# KiCad board Duet3_MB_6HC.kicad_pcb (continued)
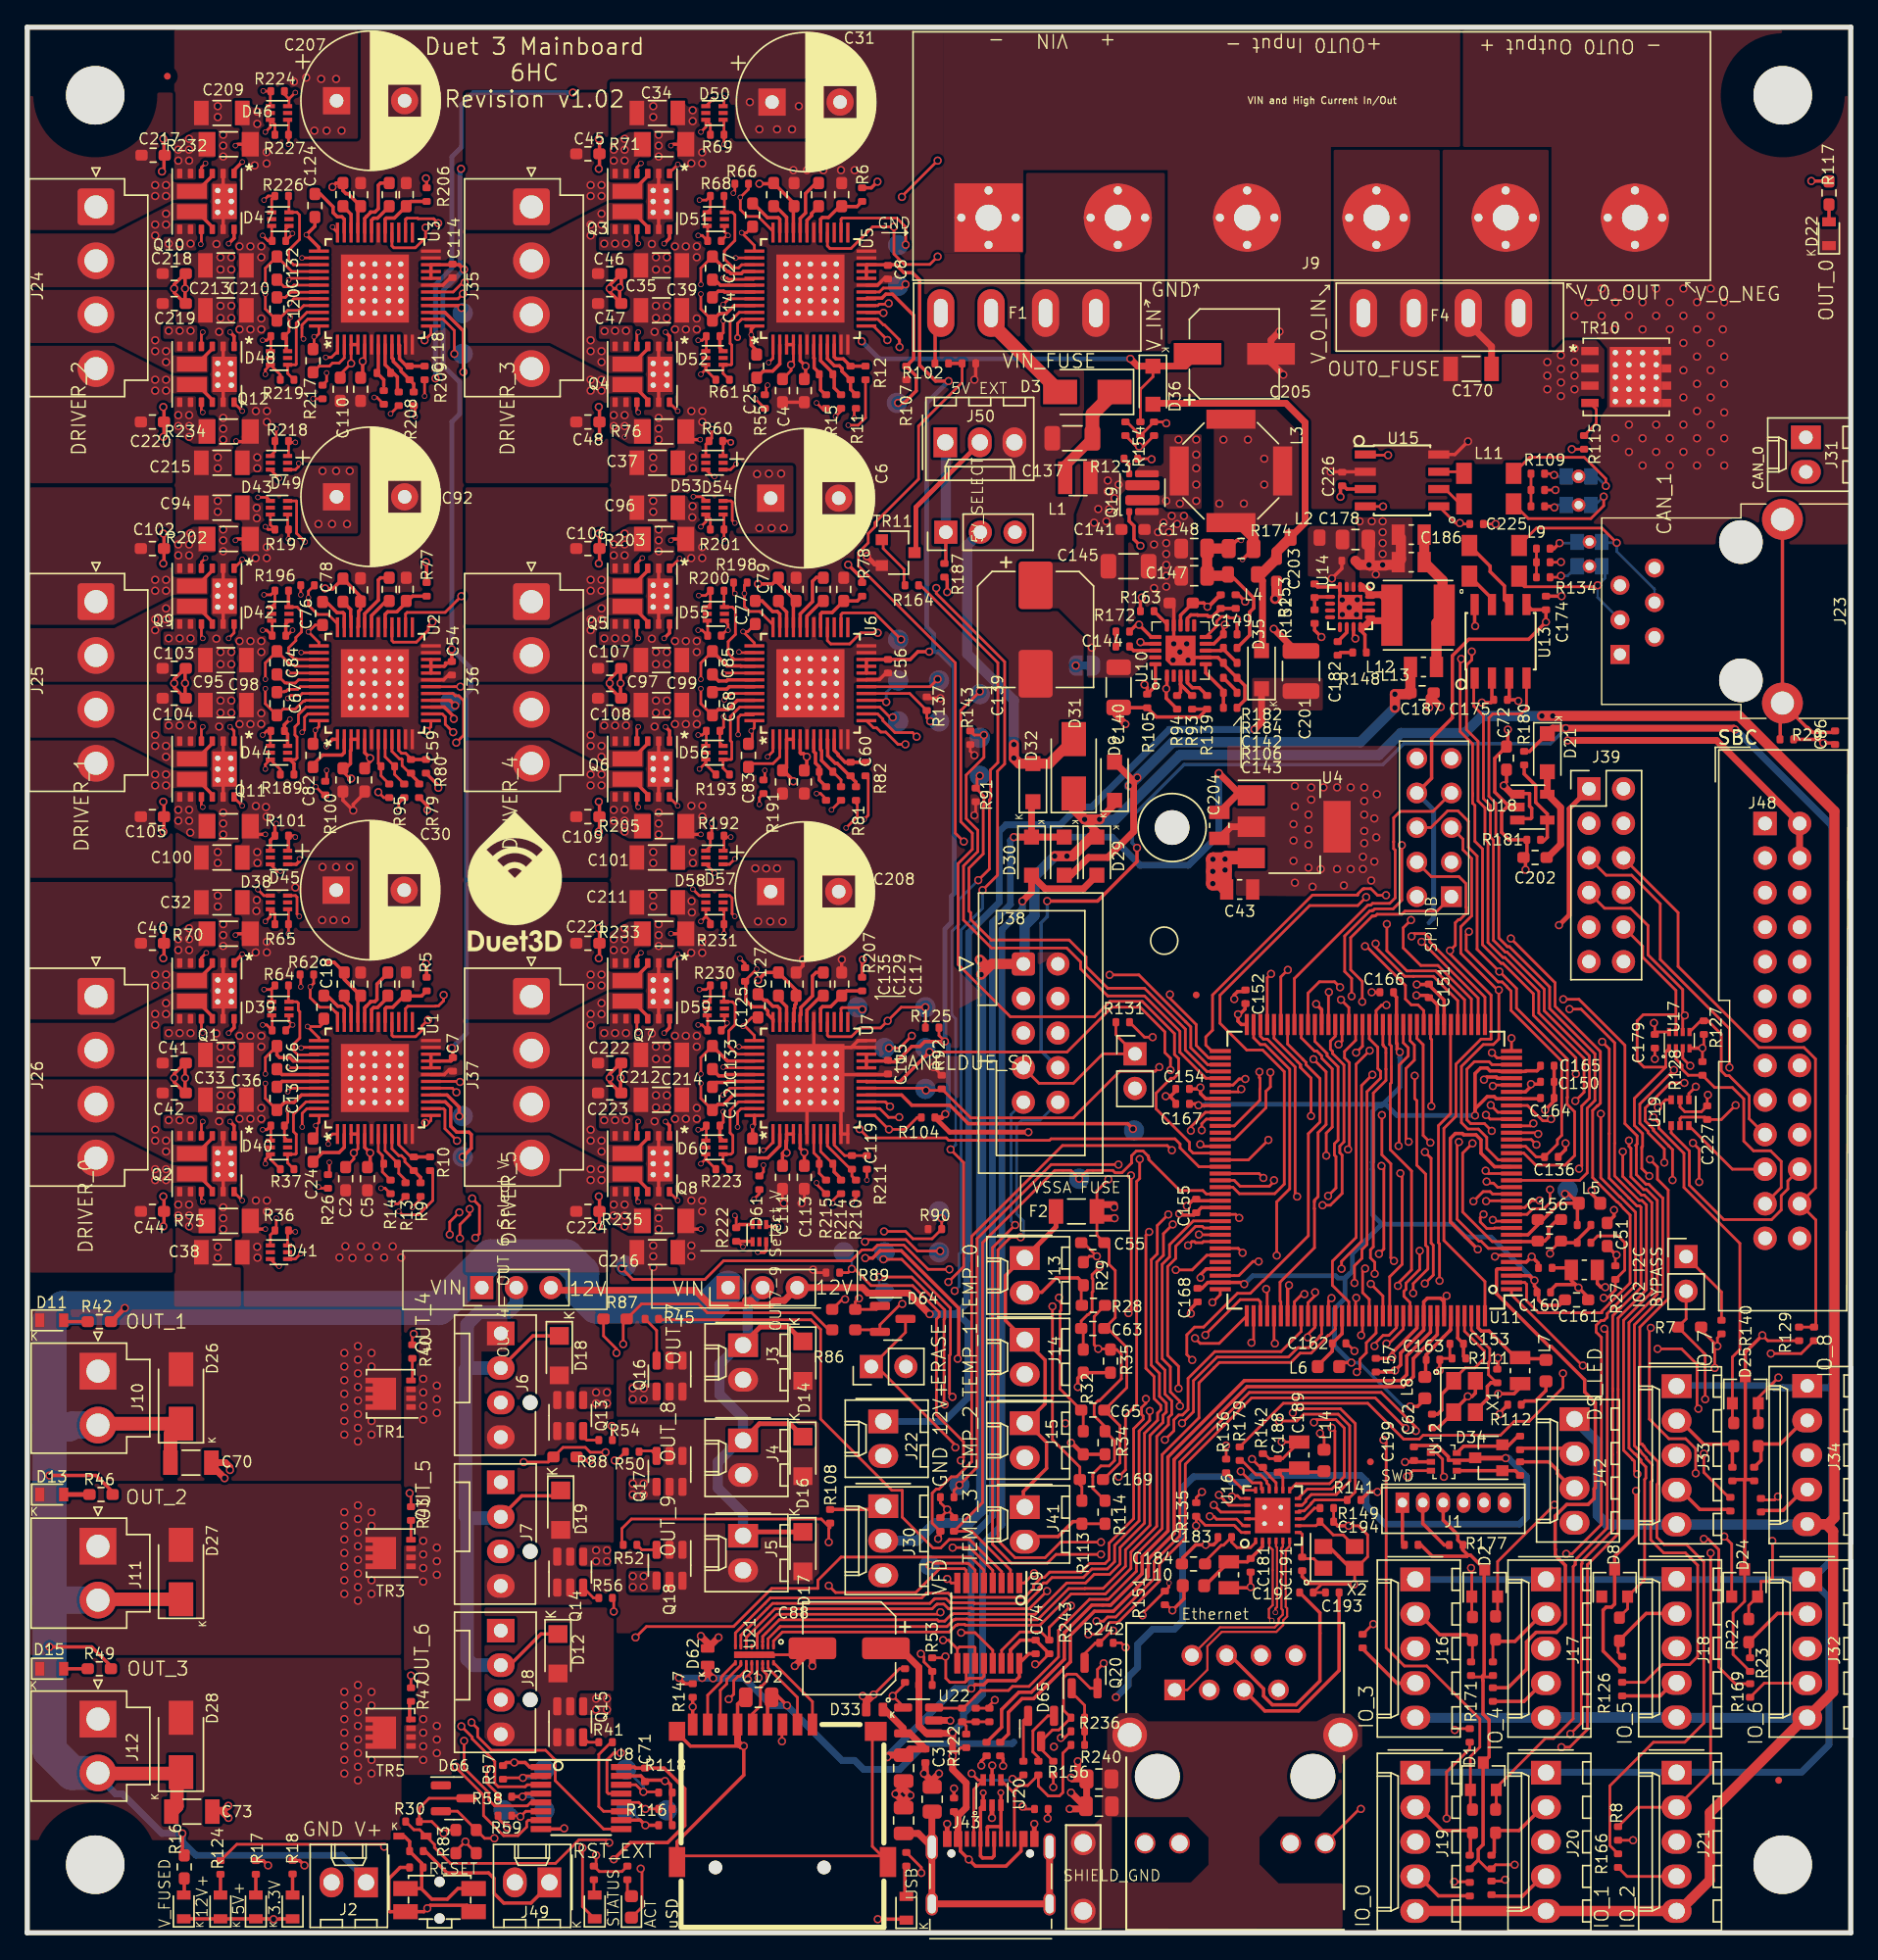
[diagram p0: board, top side]
## Routing (per net, layer and track width the routed paths; a pad name or vN(x,y) marks a point on that pad's centre or on a via; arc(x,y) is an arc through that point) (continued)
GRXDV: length 20
  Top w0.2: U11.126 98.12,44 v1(98.02,43.9) ; v1(90,34.8) 90.6,34.2 R142.1 90.8,34.07 91.3,33.57 91.3,33.53 91.77,33.07 U16.15
  In1.Cu w0.2: v1(90,34.8) 94.54,34.8 96.51,36.77 96.51,42.96 97.45,43.9 v1(98.02,43.9)
GRXER: length 19.3
  Top w0.2: U11.119 94.62,44.48 94.09,43.95 v1(94.09,43.74) ; v1(89.17,33.9) 90.02,33.06 90.64,33.06 90.68,33.02 90.68,32.61 U16.17
  In1.Cu w0.2: v1(94.09,43.74) 93.6,44.23 92.16,44.23 92.09,44.3 91.27,44.3 90.93,43.96 89.72,43.96 89.36,43.6 89.36,42.45 89.06,42.15 89.06,34.02 v1(89.17,33.9)
GTX0: length 24.4
  Top w0.2: U11.131 100.62,44.45 100.05,43.89 99.63,43.89 99,43.26 v1(99,43.1) ; v1(87.57,32.17) 87.92,31.82 87.92,31.8 88.31,31.41 U16.20
  In1.Cu w0.2: v1(99,43.1) 99,38.13 93.52,32.65 88.05,32.65 v1(87.57,32.17)
GTX1: length 25.1
  Top w0.2: U16.21 87.71,30.91 v1(87.19,31.43) ; v1(97.7,41.2) 97.93,41.43 97.93,42.14 98.4,42.61 98.4,43.35 99.12,44.07 U11.128
  In1.Cu w0.2: v1(97.7,41.2) 97.7,37.39 93.36,33.05 87.6,33.05 86.97,32.42 86.97,31.65 v1(87.19,31.43)
GTXCK: length 38.3
  Top w0.2: R179.1 92.3,38.9 98.51,38.9 101.14,36.27 102.29,36.27 102.57,36.55 108.25,36.55 109.27,37.57 110.37,37.57 112.85,40.05 v1(112.85,41.1) ; U11.1 109.07,46.88 114.27,41.67 v1(114.31,41.67)
  In1.Cu w0.2: v1(112.85,41.1) 113.42,41.67 v1(114.31,41.67)
GTXEN: length 22.8
  Top w0.2: U16.19 89.14,31.91 88.94,32.12 88.59,32.12 v1(88.52,32.05) ; U11.132 101.12,44.36 100.05,43.29 v1(99.88,43.29)
  In1.Cu w0.2: 97.75,36.3 99.4,37.95 99.4,42.26 99.88,42.75 v1(99.88,43.29) ; v1(88.52,32.05) 93.51,32.05 97.75,36.28 97.75,36.31
HSDM: length 52.9
  Top w0.25: R121.2 71.6,15.1 71.6,16.4 72.88,17.68 73.79,17.68 76.21,20.09 76.21,22.05 78.23,24.07 79.62,24.07 81.93,26.38 81.93,27.63 83.82,29.53 83.82,34.96 89.44,40.57 100.94,40.57 101.37,41.01 101.37,42.38 103.12,44.13 U11.136
HSDP: length 52.7
  Top w0.25: R120.2 72.1,14.6 72.1,16.2 73.1,17.2 73.95,17.2 76.66,19.91 76.66,21.86 78.42,23.62 79.81,23.62 82.38,26.19 82.38,27.44 84.27,29.34 84.27,34.77 89.63,40.12 101.12,40.12 101.86,40.85 101.86,42.19 103.62,43.95 U11.137
IO_0: length 64.5
  Top w0.2: U11.52 99.62,65.25 99.64,65.22 99.64,65.17 99.84,64.98 99.84,63.46 99.84,63.45 99.84,62.63 98.91,61.7 98.91,50.39 98.7,50.18 98.7,49.58 99.02,49.27 v1(99.02,48.42) ; R1.1 106.05,9.2 D1.1 106.05,12.95 106.74,13.64 106.74,15.71 102.85,19.6 101.2,19.6 99.86,20.94 99.86,36.01 v1(99.66,36.21)
  In1.Cu w0.2: v1(99.02,48.42) 99.2,48.24 99.2,48.05 99.33,47.92 99.33,46.77 101.6,44.5 101.6,40.89 101.46,40.75 101.46,40.03 100.26,38.83 100.26,36.81 v1(99.66,36.21)
IO_0_IN: length 85.8
  Top w0.2: v1(72.6,52) 72.6,52 70.93,50.33 70.93,28.54 72.31,27.16 74.96,27.16 75.6,27.8 v1(78.9,27.8)
  Top w0.25: 102,9.26 102.23,9.26 103.98,7.51 106.05,7.51 106.05,5.75 R2.1
  In1.Cu w0.2: v1(78.9,27.8) 82.6,24.1 82.6,22.95 82.04,22.39 82.04,16.86 90.8,8.1 100.88,8.1 J19.2
  Bottom w0.2: v1(72.6,52) 72.3,52.3 72.3,60.12 J38.9
IO_0_OUT: length 93.9
  Top w0.2: v1(73,51.1) 72.26,51.1 71.33,50.17 71.33,28.82 72.59,27.56 74.8,27.56 75.94,28.7 v1(78.9,28.7)
  Top w0.25: 102,4.18 102.23,4.18 103.7,2.71 105.8,2.71
  In1.Cu w0.2: J19.4 103.4,5.54 103.4,9.74 102.75,10.39 100.14,10.39 98.25,8.5 90.96,8.5 82.44,17.02 82.44,22.23 83,22.78 83,24.6 v1(78.9,28.7)
  Bottom w0.2: J38.10 74.42,59.7 73.1,59.7 72.7,59.3 72.7,52.8 73.2,52.3 73.2,51.3 v1(73,51.1)
IO_1: length 71.7
  Top w0.2: 113.75,27.05 113.75,27.17 ; 113.75,27.05 113.6,26.9 113.6,15.72 112.16,14.28 111.56,14.28 107.95,10.67 107.95,9.55 ; 113.75,27.05 113.75,27.29 113.85,27.39 113.85,27.48 116.1,29.73 116.1,44.17 v1(115.89,44.38) ; U11.106 89.03,48.28 90.07,49.32 v1(90.49,49.32)
  Top w0.25: 107.95,9.55 107.95,9.1 R3.1
  In1.Cu w0.2: v1(115.89,44.38) 111.84,44.38 110.69,45.52 110.35,45.52 109.77,46.11 108.15,46.11 103.56,50.7 103.37,50.7 102.87,51.2 98.33,51.2 96.92,49.78 95.01,49.78 94.36,49.13 90.68,49.13 v1(90.49,49.32)
IO_1_IN: length 6.4
  Top w0.25: 111.6,9.26 111.37,9.26 109.62,7.51 107.8,7.51 107.8,5.9 R4.1
IO_1_OUT: length 4.3
  Top w0.25: 111.6,4.18 111.37,4.18 109.89,2.7 107.9,2.7
IO_2: length 77.3
  Top w0.2: v1(124.7,29.12) 125.25,28.57 D24.1 ; v1(124.2,43.1) 124.2,43.7 R140.2 ; v1(124.2,43.1) 123,44.3 R7.1 ; v1(124.2,43.1) 124,42.9 v1(124,41.5) ; U11.71 90.12,65.76 90.62,65.26 90.96,65.26 92.77,63.45 92.77,54.65 91.82,53.7 v1(91.82,49.76)
  In1.Cu w0.2: v1(124.7,29.12) 124.5,29.32 124.5,41 v1(124,41.5) ; v1(124.2,43.1) 123.7,43.6 118.56,43.6 116.77,45.39 111.46,45.39 110.88,45.97 110.54,45.97 109.84,46.67 108.15,46.67 103.73,51.1 103.54,51.1 102.98,51.66 102.69,51.66 102.64,51.6 99.06,51.6 99.01,51.66 98.23,51.66 96.75,50.18 94.77,50.18 94.35,49.76 v1(91.82,49.76)
IO_2_IN: length 45.2
  Top w0.2: v1(123.3,39.2) 123.3,42.5 R7.2 121.9,45.1 JP5.2 ; v1(123.7,27.9) 123.7,11.72 J21.2 118.32,9.22 R8.1
  In1.Cu w0.2: v1(123.3,39.2) 123.8,38.7 123.8,28 v1(123.7,27.9)
IO_2_OUT: length 4.6
  Top w0.2: R166.2 117.56,4.14 J21.4
IO_3: length 54.5
  Top w0.2: v1(113.09,27.84) 113.51,27.84 115.68,30 115.68,43.75 115.29,44.13 115.29,44.63 115.64,44.98 115.86,44.98 116.1,45.22 116.1,45.49 118.18,47.57 118.18,52.94 117.04,54.08 117.01,54.08 115.63,55.46 v1(115.63,60.17) ; R157.1 106.15,23.25 D2.1 106.15,26.75 v1(106.1,26.8) ; v1(111.98,59.78) 111.85,59.66 111.37,59.66 110.24,60.78 U11.28
  In1.Cu w0.2: v1(115.63,60.17) 115.46,60 112.2,60 v1(111.98,59.78) ; v1(106.1,26.8) 107.14,27.84 v1(113.09,27.84)
IO_3_IN: length 6.8
  Top w0.2: R157.2 106.2,19.9 106.1,19.8
  Top w0.25: R157.2 105.8,21.9 103.79,21.9 102.23,23.46 102,23.46
IO_3_OUT: length 5
  Top w0.25: J16.4 100.65,18.34 98.13,20.86 R165.2
IO_4: length 63.1
  Top w0.2: v1(117.25,57.39) 117.25,55.57 118.61,54.2 118.82,54.2 119.38,53.64 119.38,47.08 117.3,45 117.3,35.45 117.91,34.84 117.97,34.74 118.02,34.73 118.11,34.64 118.11,33.91 v1(118.32,33.7) ; v1(107.62,58.92) 107.08,59.45 106.07,59.45 105.79,59.73 105.79,63.45 106.34,64 107.42,64 107.64,63.78 U11.34 ; v1(112.22,31.45) 108.05,27.27 D2.2 108.05,23.4 R159.1
  In1.Cu w0.2: v1(112.22,31.45) 116.06,31.45 v1(118.32,33.7) ; v1(107.62,58.92) 109.4,57.13 113,57.13 113.27,57.4 113.29,57.4 113.49,57.6 117.03,57.6 v1(117.25,57.39)
IO_4_IN: length 6.5
  Top w0.2: 107.7,19.8 107.7,21.35 R159.2
  Top w0.25: 107.8,21.41 109.32,21.41 111.37,23.46 111.6,23.46
IO_4_OUT: length 4.5
  Top w0.25: R171.1 109.99,17 111.37,18.38 111.6,18.38 111.54,18.32
IO_5: length 47.6
  Top w0.2: U11.23 110.52,58.28 v1(110.9,57.9) ; v1(117.7,58.2) 117.7,57.78 117.84,57.63 117.84,55.54 118.78,54.6 118.99,54.6 119.78,53.81 119.78,46.91 117.7,44.83 117.7,35.61 118.11,35.2 118.16,35.19 118.22,35.09 118.28,35.08 118.34,34.98 118.58,34.73 118.58,34.59 118.94,34.23 118.94,33.4 118.85,33.31 118.85,25.95 D8.2 117.6,23.8 116.9,23.1
  In1.Cu w0.2: v1(110.9,57.9) 112.07,57.9 112.78,58.6 117.3,58.6 v1(117.7,58.2)
IO_5_IN: length 6.4
  Top w0.2: R162.1 116.9,20.6 116.9,21.4
  Top w0.25: 116.9,21.4 118.96,23.46 121.2,23.46
IO_5_OUT: length 4.4
  Top w0.25: 121.2,18.38 120.97,18.38 119.99,17.4 R126.2
IO_6: length 53.4
  Top w0.2: R22.1 126.5,24.05 127.4,24.95 127.4,25.81 127.97,25.81 128.25,26.09 128.25,28.77 v1(128.23,28.79) ; U11.24 110.94,58.78 v1(111.03,58.69)
  In1.Cu w0.2: v1(128.23,28.79) 129.28,29.84 129.28,41.73 129.52,41.98 129.52,47.55 126.05,51.03 126.05,54.14 122.82,57.37 120.29,57.37 118.67,59 112.61,59 112.2,58.6 111.12,58.6 v1(111.03,58.69)
IO_6_IN: length 6.4
  Top w0.2: R22.2 126.6,21.25 R23.1
  Top w0.25: 130.8,23.46 128.61,23.46 R22.2
IO_6_OUT: length 4.6
  Top w0.2: J32.4 127.64,18.34 R169.2
IO_7: length 36.4
  Top w0.2: v1(119.5,59.92) 119.9,59.52 119.9,59.11 121.74,57.27 121.74,54.76 125.85,50.65 125.85,42.85 125.3,42.3 125.3,37.9 125.25,37.85 125.25,37.65 125.4,37.5 ; U11.25 110.49,59.28 v1(110.68,59.46)
  In1.Cu w0.2: v1(110.68,59.46) 111.37,59.46 111.8,59.03 112.08,59.03 112.44,59.4 118.98,59.4 v1(119.5,59.92)
IO_7_IN: length 6.5
  Top w0.25: R72.1 125.3,35.9 123.19,35.9 121.43,37.66 121.2,37.66
IO_7_OUT: length 4.6
  Top w0.25: 121.2,32.58 121.43,32.58 122.91,31.1 125.15,31.1
IO_8: length 37.4
  Top w0.2: v1(128.68,40.79) 127.2,39.31 127.2,37.9 127.4,37.7 ; v1(107.01,52.79) 106.77,52.55 106.77,52.23 107.26,51.74 107.78,51.74 107.82,51.78 U11.10
  In1.Cu w0.2: v1(128.68,40.79) 128.85,40.96 128.85,41.87 129.12,42.14 129.12,42.97 128.85,43.24 128.85,46.02 122.36,52.5 108.97,52.5 108.39,53.08 107.3,53.08 v1(107.01,52.79)
IO_8_IN: length 6
  Top w0.25: R74.1 127.4,34.7 127.4,35.91 128.82,35.91 130.57,37.66 130.8,37.66
IO_8_OUT: length 4
  Top w0.25: 130.8,32.58 130.57,32.58 129.01,31.03 127.4,31.03
MCCDA: length 57.5
  Top w0.2: U11.112 91.12,47.22 v1(91.04,47.3) ; U21.6 52.84,21.7 54.94,23.8 66.49,23.8 66.79,24.1 66.8,24.1 66.86,24.15 67.35,24.15 67.7,23.8 67.84,23.8 67.88,23.85 69.37,23.85 69.37,23.84 69.39,23.84 69.43,23.8 73.63,23.8 v1(74.94,25.11)
  In1.Cu w0.2: v1(74.94,25.11) 74.94,30.78 80.8,36.65 80.8,39.8 83.69,42.68 86.49,42.68 87.36,43.56 87.36,44.43 90.23,47.3 v1(91.04,47.3)
MCCK: length 84.2
  Top w0.2: U21.3 54.04,21.39 54.04,21.57 54.04,21.77 55.27,23 66.87,23 66.97,22.9 67.42,22.9 67.92,23.4 68,23.4 68.05,23.45 69.21,23.45 69.21,23.44 69.22,23.44 69.27,23.4 74.08,23.4 76.38,25.7 77.77,25.7 78.4,26.33 79.53,26.33 80.3,27.1 80.3,28.3 82.1,30.1 82.1,36.7 83.06,37.66 83.06,38.18 83.3,38.42 83.3,38.75 82.8,39.25 82.8,40.87 82.2,41.47 82.2,51.26 v1(82.44,51.49) ; v1(95.18,53.45) 95.75,53.45 96.62,54.32 96.62,57.14 96.45,57.31 96.45,57.8 96.76,58.1 96.76,63.76 95.92,64.6 95.92,64.76 95.76,64.91 95.76,65.51 96.12,65.87 U11.59
  In1.Cu w0.2: v1(95.18,53.45) 94.44,53.45 94.08,53.09 89.47,53.09 89.34,53.22 88.82,53.22 88.69,53.09 86.54,53.09 85.15,51.7 85.03,51.7 85,51.66 84.64,51.66 84.43,51.45 82.49,51.45 v1(82.44,51.49)
MCDA0: length 60.8
  Top w0.2: v1(93.85,46.92) 93.68,46.92 93.12,46.36 U11.116 ; U21.7 52.44,21.86 54.77,24.2 55.1,24.2 66.33,24.2 66.62,24.5 66.64,24.5 66.69,24.55 67.52,24.55 67.82,24.25 69.55,24.25 69.6,24.2 73.4,24.2 74.34,25.13 74.34,25.35 74.69,25.71 74.91,25.71 75.3,26.1 77.6,26.1 78.23,26.73 79.37,26.73 79.9,27.26 79.9,28.47 81.7,30.26 81.7,36.86 82.48,37.65 v1(82.48,38.34)
  In1.Cu w0.2: v1(93.85,46.92) 92.03,45.1 90.94,45.1 90.61,44.77 89.4,44.77 88.56,43.93 88.56,43.06 86.09,40.59 84.35,40.59 84,40.24 84,40.1 82.48,38.58 v1(82.48,38.34)
MCDA1: length 62.8
  Top w0.2: v1(94.64,47.06) 94.64,46.82 94.12,46.3 U11.118 ; U21.8 52.04,22.03 54.61,24.6 65.73,24.6 66.08,24.95 67.68,24.95 67.99,24.64 73.28,24.64 73.94,25.3 73.94,25.52 74.52,26.1 74.74,26.1 75.13,26.5 77.44,26.5 78.07,27.13 79.2,27.13 79.5,27.43 79.5,28.63 81.3,30.43 81.3,37.03 82,37.73 82,37.97 81.88,38.09 81.88,38.58 82.2,38.9 v1(82.2,39.22)
  In1.Cu w0.2: v1(94.64,47.06) 94.02,47.68 93.72,47.68 91.53,45.5 90.77,45.5 90.44,45.17 89.24,45.17 88.16,44.09 88.16,43.23 85.92,40.99 83.97,40.99 v1(82.2,39.22)
MCDA2: length 82.7
  Top w0.2: v1(95.59,54.14) 96.17,54.72 96.17,57.02 96.05,57.14 96.05,57.97 96.33,58.24 96.33,63.62 95.52,64.43 95.52,64.59 94.62,65.49 U11.62 ; U21.1 54.84,21.44 55.5,22.1 67.75,22.1 68.25,22.6 68.33,22.6 68.38,22.65 68.88,22.65 68.88,22.65 68.89,22.65 68.94,22.6 74.41,22.6 76.7,24.89 77.88,24.89 77.89,24.9 79.23,24.9 81.1,26.77 81.1,27.97 83,29.87 83,36.47 83.86,37.33 83.86,37.85 84.1,38.09 84.1,39.08 83.6,39.58 83.6,41.34 83,41.94 83,49.28 83.49,49.77 83.49,51.36 v1(84.18,52.05)
  In1.Cu w0.2: v1(84.18,52.05) 84.19,52.06 84.73,52.06 86.16,53.49 88.53,53.49 88.66,53.62 89.5,53.62 89.63,53.49 93.84,53.49 94,53.64 94,54.02 94.11,54.14 v1(95.59,54.14)
MCDA3: length 81.5
  Top w0.2: 55.33,22.5 55.22,22.38 ; 55.33,22.5 67.58,22.5 68.08,23 68.17,23 68.21,23.05 69.04,23.05 69.04,23.05 69.06,23.05 69.1,23 74.24,23 76.53,25.29 77.72,25.29 77.73,25.3 79.07,25.3 80.7,26.93 80.7,28.13 82.5,29.93 82.5,36.53 83.46,37.49 83.46,38.02 83.7,38.26 83.7,38.91 83.2,39.41 83.2,41.1 82.6,41.7 82.6,49.44 83.04,49.88 83.04,51.96 v1(83.85,52.78) ; 55.33,22.5 55.22,22.38 ; 55.22,22.38 54.44,21.61 54.44,21.19 U21.2 ; U11.70 90.62,65.87 90.83,65.66 91.12,65.66 93.17,63.61 93.17,54.23 v1(93.31,54.09)
  In1.Cu w0.2: v1(93.31,54.09) 93.11,53.89 89.8,53.89 89.67,54.02 88.49,54.02 88.36,53.89 85.62,53.89 85.52,53.99 84.91,53.99 83.85,52.93 v1(83.85,52.78)
O4_TACHO: length 59.8
  Top w0.2: U11.48 101.62,65.54 101.93,65.22 101.93,64.11 101.32,63.5 101.32,58.31 v1(101.51,58.12) ; v1(64.3,46.2) 64.19,46.2 62.66,44.68 D64.2 62.51,44.3 R86.2
  In1.Cu w0.2: v1(101.51,58.12) 101.06,58.56 94.45,58.56 93.54,57.65 90.3,57.65 89.18,56.53 84.56,56.53 84.53,56.5 83.51,56.5 81.51,54.5 66.58,54.5 65.2,53.12 65.2,47.1 v1(64.3,46.2)
O5_TACHO: length 55.7
  Top w0.2: D64.1 62.41,45.8 R85.2 60.85,46.34 v1(61.11,46.61) ; U11.57 97.12,67.97 v1(96.54,68.55)
  In1.Cu w0.2: v1(61.11,46.61) 61.93,46.61 63.6,48.27 63.6,54.02 65.7,56.12 72.02,56.12 74.97,59.07 76.55,59.07 77.95,60.47 77.95,64.48 80.47,67 83.54,67 85.74,69.2 94.71,69.2 95.4,68.51 96.5,68.51 v1(96.54,68.55)
O6_TACHO: length 93.2
  Top w0.2: v1(34.32,6.94) 33.61,6.94 R84.2 31.62,8.93 D66.2 ; v1(84.6,39.99) 84.6,41.62 83.8,42.41 83.8,48.95 84.39,49.54 84.39,50.44 85.85,51.9 86.35,51.9 86.47,51.78 U11.99
  In1.Cu w0.2: v1(84.6,39.99) 84.58,39.99 83.7,39.11 83.7,38.37 82.01,36.68 82.01,36.16 76.7,30.85 76.7,25.64 76.8,25.54 76.8,25.34 77.9,24.24 77.9,23.78 77.44,23.32 77.4,23.32 77.07,23 71.28,23 67.85,19.56 60.94,19.56 60.9,19.53 60.28,18.9 59.41,18.04 59.41,14.04 52.24,6.87 48.54,6.87 48.22,6.55 46.32,6.55 46.24,6.47 46,6.47 45.95,6.5 44.71,6.5 43.96,7.25 42.4,7.25 42.15,7 34.38,7 v1(34.32,6.94)
OUT_0: length 83.6
  Top w0.2: R53.2 67.37,20.2 v1(67.47,20.3) 67.5,20.27 67.5,18.7 67.8,18.4 68.9,18.4 ; U9.12 70.3,18.85 70.15,18.7 69.2,18.7 68.9,18.4 ; U9.10 69,18.5 68.9,18.4 ; v1(98.85,63.04) 98.05,62.25 98.05,50.8 96.58,49.33 v1(96.58,48.78) ; v1(107.63,64.66) 108.01,64.28 U11.35
  In1.Cu w0.2: v1(98.85,63.04) 98.97,63.04 100.01,64.08 103.57,64.08 104.15,64.66 v1(107.63,64.66) ; v1(96.58,48.78) 96.03,48.23 92.52,48.23 91.88,47.59 91.88,47.28 90.16,45.57 89.07,45.57 87.76,44.26 87.76,43.39 85.76,41.39 83.52,41.39 81.6,39.47 81.6,36.32 76.3,31.02 76.3,25.27 77.5,24.07 77.5,23.94 77.28,23.72 77.23,23.72 76.91,23.4 71.12,23.4 68.88,21.16 68.48,21.16 67.62,20.3 v1(67.47,20.3)
OUT_0_BUFF: length 153.2
  Top w0.2: R115.2 v1(113.5,109) ; 68.35,20.85 67.7,21.5 v1(67.3,21.5) ; 68.35,20.85 68.5,21 69.6,21 69.65,20.95 U9.11 ; 68.35,20.85 U9.9 ; v1(70.2,76.6) 71.3,77.7 71.3,85.35 71.83,85.87 71.83,93.37 66.8,98.4 v1(66.8,98.8)
  In1.Cu w0.2: v1(66.8,98.8) 66.29,99.31 66.29,110.9 68.59,113.2 97.7,113.2 100.4,110.5 112,110.5 v1(113.5,109) ; v1(67.3,21.5) 64.66,24.14 64.66,39.15 63.32,40.49 63.32,41.98 64.33,42.99 65.37,42.99 68.15,45.77 v1(68.15,47.16)
  Bottom w0.2: v1(68.15,47.16) 68.49,47.5 68.49,49.88 68.63,50.02 68.63,73.69 70.2,75.27 v1(70.2,76.6)
OUT_0_NEG:
  vias: v1(113.7,118.8) v1(114.7,119.8) v1(115.7,120.8) v1(115.7,118.8) v1(116.6,117.8) v1(116.7,119.8) v1(116.7,109.8) v1(117.7,120.8) v1(117.7,118.8) v1(117.7,110.8) v1(117.7,108.8) v1(118.7,119.8) v1(118.7,117.8) v1(118.7,109.8) v1(118.7,107.8) v1(119.7,120.8) v1(119.7,118.8) v1(119.7,110.8) v1(119.7,108.8) v1(120.7,119.8) v1(120.7,117.8) v1(120.7,109.8) v1(120.7,107.8) v1(121.7,120.8) v1(121.7,118.8) v1(121.7,116.8) v1(121.7,114.8) v1(121.7,112.8) v1(121.7,110.8) v1(121.7,108.8) v1(122.7,119.8) v1(122.7,117.8) v1(122.7,115.8) v1(122.7,113.8) v1(122.7,111.8) v1(122.7,109.8) v1(122.7,107.8) v1(123.7,120.8) v1(123.7,118.8) v1(123.7,116.8) v1(123.7,114.8) v1(123.7,112.8) v1(123.7,110.8) v1(123.7,108.8) v1(124.6,117.8) v1(124.7,119.8) v1(124.7,115.8) v1(124.7,113.8) v1(124.7,111.7) v1(124.7,109.8) v1(124.7,107.8)
OUT_1: length 119.9
  Top w0.2: R57.2 35.06,11.38 v1(36.42,11.38) 36.56,11.53 U8.2 ; v1(97.05,57.55) 97.16,57.66 97.16,63.92 96.8,64.28 96.8,64.75 97.62,65.57 U11.56
  In1.Cu w0.2: v1(36.42,11.38) 36.43,11.38 40.96,11.38 45.04,7.3 45.89,7.3 45.95,7.36 46.95,7.36 46.96,7.35 47.89,7.35 48.21,7.67 51.91,7.67 58.61,14.37 58.61,18.37 60.5,20.26 60.5,30 59.78,30.72 59.78,42.79 61.18,44.19 64.37,44.19 65.31,45.13 65.31,45.86 66,46.55 66,52.76 66.93,53.7 76.74,53.7 78.64,51.8 80.19,51.8 84.09,55.7 84.86,55.7 84.89,55.73 89.51,55.73 90.6,56.82 94.31,56.82 95.25,57.75 96.86,57.75 v1(97.05,57.55)
  Bottom w0.2: TP8.1 37.38,11.38 v1(36.42,11.38)
OUT_1_BUFF: length 41.2
  Top w0.2: R40.2 28.3,43.9 v1(28.4,44) ; v1(31.9,15.17) 32.7,14.37 32.7,14.25 34.36,12.59 34.36,10.98 34.61,10.73 36.59,10.73 36.74,10.88 U8.3
  In1.Cu w0.2: v1(31.9,15.17) 31.9,42.7 30.6,44 v1(28.4,44)
OUT_1_NEG:
  vias: v1(23.3,42.6) v1(23.3,41.6) v1(23.3,40.6) v1(23.3,39.6) v1(23.3,38.6) v1(23.3,37.6) v1(23.3,36.6) v1(24.3,43.1) v1(24.3,42.1) v1(24.3,41.1) v1(24.3,40.1) v1(24.3,39.1) v1(24.3,38.1) v1(24.3,37.1) v1(24.3,36.1) v1(25.3,42.6) v1(25.3,41.6) v1(25.3,37.6) v1(25.3,36.6)
OUT_2: length 123.5
  Top w0.2: v1(103.18,60.73) 103.21,60.76 103.21,65.62 103.12,65.71 U11.45
  Top w0.25: 35.49,10 v1(36.4,10) 36.62,10.22 U8.4
  In1.Cu w0.2: v1(103.18,60.73) 102.8,61.11 90.2,61.11 90,60.91 88.29,60.91 87.78,61.42 85.66,61.42 84.86,60.62 83.66,60.62 80.91,57.87 75.67,57.87 72.72,54.92 66.44,54.92 64.8,53.28 64.8,47.77 62.02,45 60.86,45 58.92,43.06 58.92,30.45 59.5,29.87 59.5,20.4 57.81,18.71 57.81,14.7 51.61,8.5 44.95,8.5 41.47,11.98 36.17,11.98 35.5,11.31 35.5,10.9 v1(36.4,10)
  Bottom w0.2: TP9.1 37,10 v1(36.4,10)
OUT_2_BUFF: length 31.2
  Top w0.2: v1(28.1,32.3) 28.2,32.2 R43.2 ; U8.5 37,9.57 36.75,9.32 34.35,9.32 33.93,9.75 33.93,10.28 32.1,12.11 v1(32.1,14.1)
  In1.Cu w0.2: v1(28.1,32.3) 30,32.3 31.3,31 31.3,14.9 v1(32.1,14.1)
OUT_2_NEG:
  vias: v1(23.3,30.9) v1(23.3,29.9) v1(23.3,28.9) v1(23.3,27.9) v1(23.3,26.9) v1(23.3,25.9) v1(23.3,24.9) v1(24.3,31.4) v1(24.3,30.4) v1(24.3,29.4) v1(24.3,28.4) v1(24.3,27.4) v1(24.3,26.4) v1(24.3,25.4) v1(24.3,24.4) v1(25.3,30.9) v1(25.3,29.9) v1(25.3,25.9) v1(25.3,24.9)
OUT_3: length 117.7
  Top w0.2: 35.49,8.6 36.17,8.6 v1(36.24,8.53) 36.63,8.93 U8.6 ; v1(95.46,57.1) 95.46,58.75 95.89,59.19 95.89,63.48 95.12,64.25 95.12,64.43 94.77,64.78 94.59,64.78 93.62,65.76 U11.64
  In1.Cu w0.2: v1(36.24,8.53) 36.37,8.4 43.37,8.4 44.87,6.9 46.06,6.9 46.12,6.96 46.23,6.96 46.24,6.95 46.79,6.95 46.94,6.95 48.06,6.95 48.38,7.27 52.07,7.27 59.01,14.21 59.01,18.2 60.9,20.09 60.9,30.17 60.18,30.89 60.18,42.62 61.35,43.79 64.54,43.79 65.71,44.96 65.71,45.7 66.4,46.38 66.4,52.6 67.1,53.3 76.55,53.3 78.49,51.36 80.32,51.36 84.26,55.3 84.74,55.3 84.77,55.27 84.88,55.3 84.98,55.28 85,55.3 85.02,55.3 85.05,55.33 89.73,55.33 90.74,56.34 94.69,56.34 v1(95.46,57.1)
  Bottom w0.2: v1(36.24,8.53) 35.77,9 TP10.1
OUT_3_BUFF: length 20.1
  Top w0.2: U8.7 36.83,8.28 36.7,8.15 36.7,7.78 36.07,7.14 35,7.14 33.53,8.61 33.53,10.11 31.5,12.14 v1(31.5,12.2) ; R47.2 v1(28.2,18.9)
  In1.Cu w0.2: v1(31.5,12.2) 30.9,12.8 30.9,18.2 30.2,18.9 v1(28.2,18.9)
OUT_3_NEG:
  vias: v1(23.3,17.7) v1(23.3,16.7) v1(23.3,15.7) v1(23.3,14.7) v1(23.3,13.7) v1(23.3,12.7) v1(23.3,11.7) v1(24.3,18.2) v1(24.3,17.2) v1(24.3,16.2) v1(24.3,15.2) v1(24.3,14.2) v1(24.3,13.2) v1(24.3,12.2) v1(24.3,11.2) v1(25.3,17.7) v1(25.3,16.7) v1(25.3,12.7) v1(25.3,11.7)
OUT_4: length 110.9
  Top w0.2: U11.49 101.12,65.39 101.48,65.02 101.48,64.42 100.82,63.75 100.82,57.86 v1(100.77,57.81)
  Top w0.25: 46.51,7.9 45.43,7.9 v1(45.42,7.9) 45.05,8.28 U8.10
  In1.Cu w0.2: v1(100.77,57.81) 100.42,58.16 94.62,58.16 93.69,57.23 90.45,57.23 89.35,56.13 84.72,56.13 84.69,56.1 83.93,56.1 81.93,54.1 67.7,54.1 66.74,54.1 65.6,52.95 65.6,46.71 64.91,46.03 64.91,45.56 63.94,44.59 61.01,44.59 59.38,42.96 59.38,30.56 59.9,30.04 59.9,20.24 58.21,18.55 58.21,14.54 51.75,8.08 45.6,8.08 v1(45.42,7.9)
  Bottom w0.2: TP11.1 44.32,9 v1(45.42,7.9)
OUT_4_BUFF: length 46.1
  Top w0.2: v1(32.65,15.45) 33.1,15 33.1,14.41 34.1,13.41 38.09,13.41 38.8,12.7 38.8,11.18 42.35,7.62 43.35,7.62 ; v1(42.96,37.24) 43,37.19 R54.2
  In1.Cu w0.2: v1(32.65,15.45) 32.65,33.45 34,34.8 35.02,34.8 37.27,37.05 42.77,37.05 v1(42.96,37.24)
OUT_4_TACHO: length 29.1
  Top w0.2: R86.1 58.9,44.3 57.65,45.55 49.97,45.55 49.32,46.2 45.15,46.2 43.79,44.84 v1(43.79,43.25)
  In1.Cu w0.2: J6.3 34.95,38.95 39.2,43.2 43.74,43.2 v1(43.79,43.25)
OUT_5: length 99.8
  Top w0.2: v1(96.36,65.26) 96.62,65.52 U11.58 ; U8.14 44.72,10.88 45.25,10.35 v1(45.28,10.35) 46.46,10.35
  In1.Cu w0.2: v1(45.28,10.35) 45.28,15.51 47.63,17.86 47.87,17.86 48.5,18.49 48.5,34.54 52.77,38.8 53.43,38.8 58.03,43.4 58.05,43.4 60.45,45.8 61.69,45.8 64,48.11 64,53.85 65.87,55.72 72.19,55.72 75.14,58.67 76.71,58.67 78.47,60.43 78.47,64.44 80.59,66.55 95.07,66.55 v1(96.36,65.26)
  Bottom w0.2: TP12.1 45.28,10.72 v1(45.28,10.35)
OUT_5_BUFF: length 16.3
  Top w0.2: v1(43.61,13.21) 43.11,13.21 42.6,12.7 42.6,10.32 42.7,10.22 U8.13 ; R56.2 43.1,24.5 v1(43.1,23.6)
  In1.Cu w0.2: v1(43.61,13.21) 43.4,13.42 43.4,23.3 v1(43.1,23.6)
OUT_5_TACHO: length 37.8
  Top w0.2: R85.1 59.89,46.54 v1(60.1,46.54) ; v1(42.5,35.3) 41.37,35.3 41.01,35.66 39.37,35.66 R88.1 38.29,34.58 v1(36.48,34.58)
  In1.Cu w0.2: v1(42.5,35.3) 45.5,38.3 49.2,38.3 50.1,39.2 53.05,39.2 57.55,43.69 57.76,43.69 57.87,43.8 57.89,43.8 58.13,44.04 59.66,45.58 59.9,45.81 59.9,46 60.1,46.2 v1(60.1,46.54) ; v1(36.48,34.58) 36.48,29.6 34.8,27.92
OUT_6: length 111.6
  Top w0.2: U8.12 44.94,9.57 v1(45.42,9.1) 45.42,9.1 46.51,9.1 ; U11.36 v1(109.07,65.72)
  In1.Cu w0.2: v1(109.07,65.72) 101,65.72 98.94,63.66 98.64,63.66 98.52,63.54 92.58,63.54 91.42,64.7 83.44,64.7 82.55,63.81 82.55,63.43 82.41,63.29 80.25,63.29 78.87,61.91 78.87,60.21 76.93,58.27 75.3,58.27 72.35,55.32 66.03,55.32 64.4,53.69 64.4,47.94 61.86,45.4 60.61,45.4 60.59,45.38 60.59,45.34 58.27,43.02 58.23,43.02 58.22,43 58.2,43 54.06,38.86 54.06,25.64 51.52,23.1 49.95,23.1 48.9,22.05 48.9,18.26 45.88,15.24 45.88,9.55 v1(45.42,9.1)
  Bottom w0.2: v1(45.42,9.1) 46.9,9.1 TP13.1
OUT_6_BUFF: length 7
  Top w0.2: R41.2 42.9,14 42,13.1 42,9.28 42.35,8.93 U8.11
OUT_6_TACHO: length 13.8
  Top w0.2: R84.1 32.2,6.65 v1(32.2,6.7) 31.5,6 R83.1
  In1.Cu w0.2: v1(32.2,6.7) 32.2,13.35 33.33,14.48 33.33,15.65 J8.3
OUT_7: length 51
  Top w0.2: U9.2 72.25,26.66 69.41,29.5 R44.2 70.2,31.6 70.2,50.7 75.51,56.01 76.69,56.01 v1(77.3,55.4) 77.91,56.01 79.77,56.01 79.94,55.84 80.44,55.84 81.17,56.57 81.15,56.59 81.15,57.09 81.5,57.44 82,57.44 82.35,57.09 82.35,57.08 82.38,57.05 82.38,56.98 82.42,56.94 82.42,56.81 84.69,54.53 86.39,54.53 86.64,54.28 U11.94
OUT_7_BUFF: length 39.3
  Top w0.2: U9.3 71.6,26.54 69.24,28.9 67.75,28.9 67.12,28.27 66.57,28.27 64.3,30.53 64.3,32.51 63.54,32.51 58.3,37.75 58.3,44.33 57.6,45.03 46.47,45.03 R45.2
OUT_8: length 51.1
  Top w0.2: v1(80.19,56.44) 75.24,56.44 69.8,51 69.8,34.2 v1(68.5,32.9) 68.1,32.5 R48.2 ; U9.4 70.95,26.62 69.28,28.3 v1(68,28.3) ; U11.82 86.58,60.28 85.51,59.21 v1(85.51,58.93)
  In1.Cu w0.2: v1(80.19,56.44) 82.76,59.01 83.27,59.01 83.39,58.9 83.88,58.9 84,59.01 85.43,59.01 v1(85.51,58.93) ; v1(68.5,32.9) 68.5,28.8 v1(68,28.3)
OUT_8_BUFF: length 44.4
  Top w0.2: R50.2 43.32,34.7 v1(43.17,34.7) ; v1(44.7,21.7) 45.5,22.5 51.9,22.5 54.7,25.3 58.1,25.3 58.1,25.9 59.8,27.6 69.35,27.6 70.3,26.65 U9.5
  In1.Cu w0.2: v1(43.17,34.7) 43.79,34.08 43.79,24.81 44.7,23.9 v1(44.7,21.7)
OUT_9: length 68
  Top w0.2: v1(66.3,27) 66.45,27.15 69.04,27.15 69.06,27.13 69.17,27.13 69.65,26.65 U9.6 ; v1(94.34,60.01) 94.34,62.8 93.57,63.57 93.57,63.78 93.33,64.01 91.62,65.73 U11.68 ; v1(66.93,28.95) 67.1,29.11 R51.2 66.5,30.1 66.5,32.3 66.8,32.6 67,32.6 67.9,33.5 68.3,33.5 69.4,34.6 69.4,51.17 76.07,57.84 83.77,57.84 v1(84.11,57.5)
  In1.Cu w0.2: v1(66.3,27) 66.93,27.63 v1(66.93,28.95) ; v1(94.34,60.01) 93.82,60.01 92.77,58.96 91.98,58.96 91.64,59.3 88.41,59.3 86.44,57.33 84.28,57.33 v1(84.11,57.5)
OUT_9_BUFF: length 33.5
  Top w0.2: 59,29.81 58.9,29.71 v1(58.9,28.7) ; 59,29.75 58.35,30.4 44.4,30.4 43.7,29.7 43.7,28.6 R52.2 ; U9.7 69,26.62 68.87,26.75 67.05,26.75 65.3,25 59.4,25 v1(58.9,25.5)
  In1.Cu w0.2: v1(58.9,28.7) v1(58.9,25.5)
PD_SD_CD: length 31.4
  Top w0.2: J38.7 74.35,62.41 76.88,62.41 79.04,64.57 JP4.1 80,65.97 R131.2 ; U11.55 98.12,65.13 v1(97.65,64.66)
  In1.Cu w0.2: v1(97.65,64.66) 96.11,64.66 95.6,65.17 82,65.17 JP4.1
PHY_RESET: length 67.6
  Top w0.2: U16.24 89.22,29.41 88.69,29.94 86.56,29.94 R135.1 85.9,29.92 v1(85.89,29.91) ; J46.12 97.89,9.1 v1(98,9.1) ; U11.98 87.65,52.3 85.69,52.3 83.94,50.55 83.94,49.65 83.4,49.11 83.4,42.18 84,41.58 84,39.74 84.7,39.04 v1(84.7,38.7)
  In1.Cu w0.2: v1(98,9.1) 90.93,9.1 82.84,17.19 82.84,22.06 83.4,22.62 83.4,25.13 83.26,25.27 83.26,26.46 85.21,28.41 85.21,29.24 v1(85.89,29.91) 85.69,30.12 85.69,37.71 v1(84.7,38.7)
PS_ON: length 62.8
  Top w0.2: v1(85.61,42.08) 85.21,42.48 85.21,43.93 85.78,44.5 86.44,44.5 88.92,46.98 89.88,46.98 90.8,47.9 90.83,47.9 94.14,51.21 94.14,58.71 94.99,59.56 94.99,62.76 93.97,63.78 93.97,63.94 93.73,64.18 92.62,65.29 U11.66 ; v1(76.69,24.03) 76.69,24.03 75.1,22.44 R243.2 74.5,22.1 72.95,22.1 71.6,20.75 U9.14
  In1.Cu w0.2: v1(85.61,42.08) 83.65,42.08 81.2,39.64 81.2,36.48 75.9,31.18 75.9,24.82 v1(76.69,24.03)